# KiCad board processed.kicad_pcb
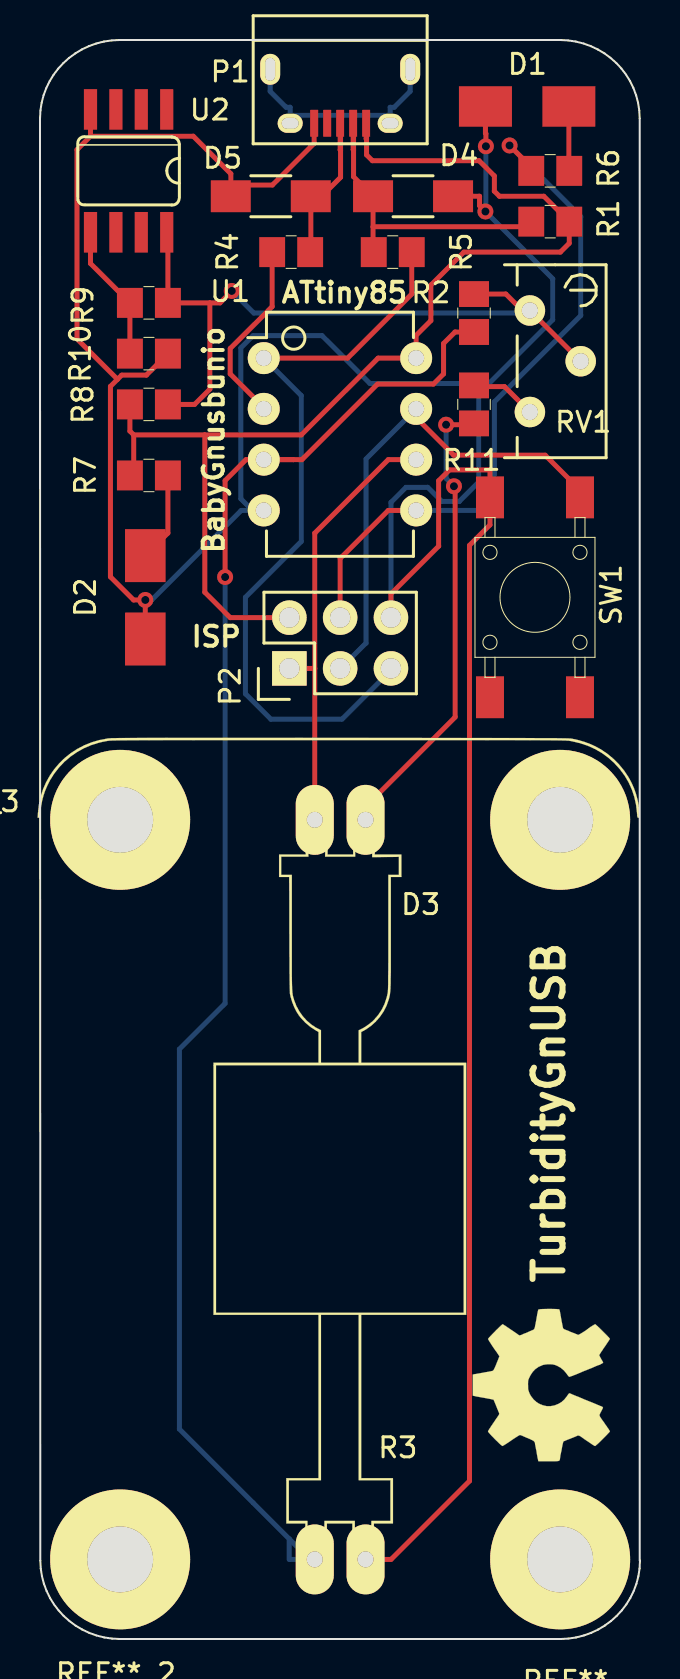
[diagram p0: board, top side]
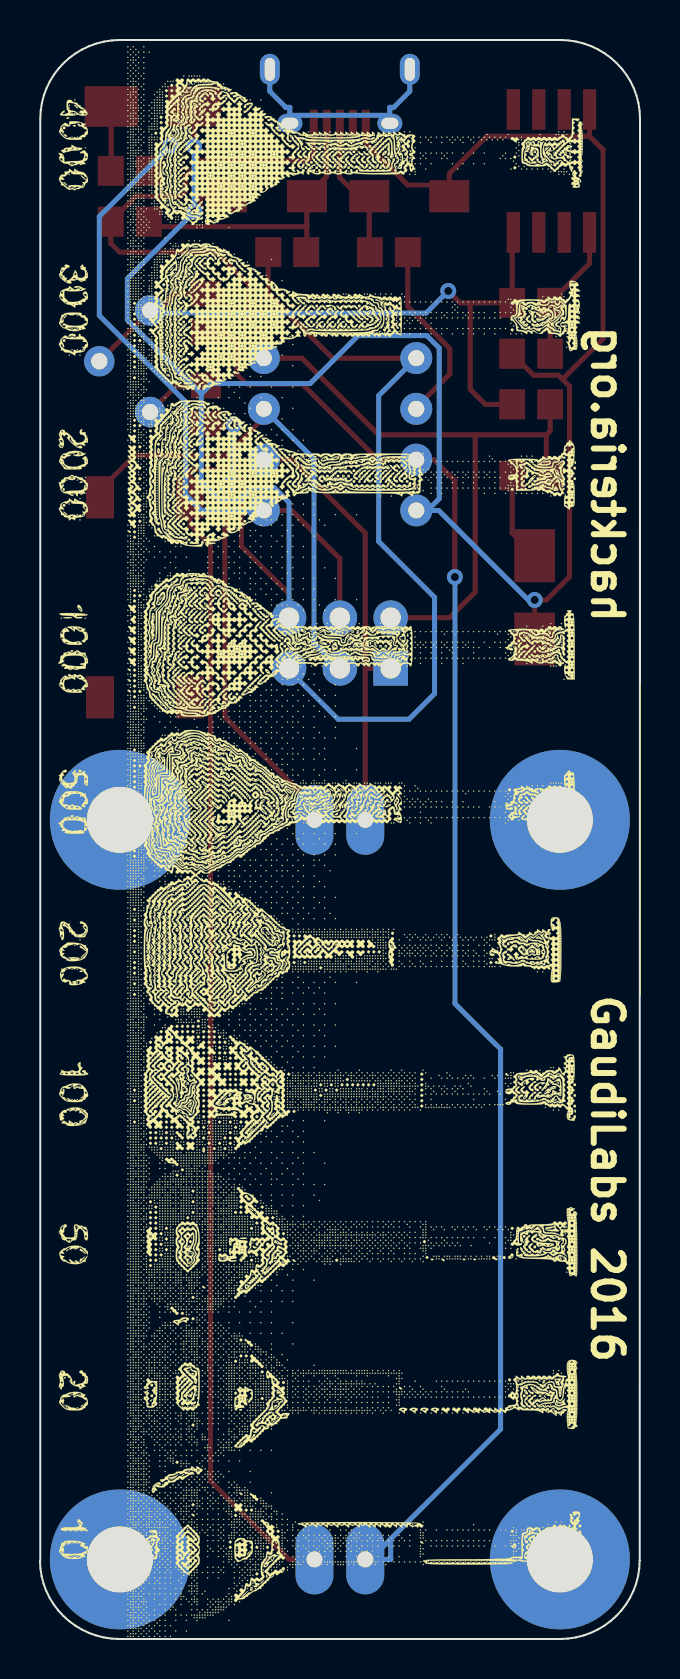
[diagram p1: board, bottom side, seen from below]

Outline 30 x 80 mm; copper layers: Top, Bottom. Coordinates in mm from the lower left corner of the outline.
Outline path: 0,76.07 0.02,76.47 0.08,76.86 0.18,77.24 0.31,77.6 0.48,77.94 0.68,78.26 0.91,78.57 1.17,78.85 1.46,79.1 1.76,79.33 2.09,79.52 2.44,79.69 2.81,79.82 3.19,79.92 3.59,79.98 4,80 25.99,80 26.4,79.98 26.79,79.92 27.18,79.82 27.54,79.69 27.89,79.52 28.22,79.33 28.53,79.1 28.81,78.85 29.07,78.57 29.3,78.26 29.5,77.94 29.67,77.6 29.81,77.24 29.9,76.86 29.96,76.47 29.99,76.07 ; 0.01,3.92 0,76.07 ; 0.02,3.93 0.04,3.53 0.1,3.14 0.2,2.76 0.33,2.4 0.5,2.06 0.7,1.73 0.93,1.43 1.19,1.15 1.47,0.9 1.78,0.67 2.11,0.47 2.46,0.31 2.82,0.18 3.21,0.08 3.6,0.02 4.01,0 26,0 26.41,0.02 26.81,0.08 27.19,0.18 27.56,0.31 27.91,0.47 28.24,0.67 28.55,0.9 28.83,1.15 29.09,1.43 29.32,1.73 29.52,2.06 29.69,2.4 29.82,2.76 29.92,3.14 29.98,3.53 30,3.93 ; 29.99,76.06 29.99,3.93

## Placement (name value [footprint] x y rotation side)
D1  LED  [Fuse_SMD1206_HandSoldering]  24.36 76.67 0 top
D2  LED  [Fuse_SMD1206_HandSoldering]  5.27 52.12 90 top
D3  LED  [SolderWirePad_2x0_8_oval]  15.01 40.98 0 top
D4  3.3V  [C_1206_HandSoldering]  18.65 72.18 0 top
D5  3.3V  [C_1206_HandSoldering]  11.54 72.18 180 top
G***  LOGO  [Turbidity2]  15.73 39.8 270 bottom
G***_2  LOGO  [OpenHardwareLogo]  25.13 12.68 90 top
G***_3  LOGO  [turbi2]  14.92 23.03 0 top
P1  USB_OTG  [USB_Micro-B]  15.01 77.39 180 top
P2  CONN_02X03  [Pin_Header_Straight_2x03]  12.47 48.56 90 top
R1  1.5k  [0805G]  25.51 70.91 270 top
R2  470k  [0805G]  21.7 66.34 180 top
R3  LDR  [SolderWirePad_2x0_8_oval]  15.01 3.98 180 top
R4  68  [0805G]  12.56 69.39 90 top
R5  68  [0805G]  17.64 69.39 270 top
R6  820  [0805G]  25.51 73.45 270 top
R7  1k  [0805G]  5.45 58.21 270 top
R8  1k  [0805G]  5.45 61.77 270 top
R9  47k  [0805G]  5.45 66.85 90 top
R10  100k  [0805G]  5.45 64.31 270 top
R11  1k  [0805G]  21.7 61.77 180 top
REF**  -  [MountingHoleRound3mm]  26.01 3.98 0 top
REF**_2  -  [MountingHoleRound3mm]  4.01 3.98 0 top
REF**_3  -  [MountingHoleRound3mm]  4.01 40.98 0 top
REF**_4  -  [MountingHoleRound3mm]  26.01 40.98 0 top
RV1  100k  [Potentiometer_Bourns_3296Y_3-8Zoll_Angular_ScrewUp]  24.5 66.47 180 top
SW1  SW_PUSH_SMALL_H  [PUSH_BUTTON_SMD]  24.75 52.12 270 top
U1  ATTINY85-P  [DIP-8_W7.62mm]  11.19 64.08 0 top
U2  LM385  [SO08]  4.43 73.45 180 top

## Footprints (pads in the part's own frame, mm; a bottom-side part is the same pattern mirrored in y, then rotated)
0805G
  rect 1.5x1.295 smd: 1(0,0.95) 2(0,-0.95)
C_1206_HandSoldering
  rect 2x1.6 smd: 1(-2,0) 2(2,0)
DIP-8_W7.62mm
  oval 1.6x1.6 hole 0.8: 1(0,0) 2(0,-2.54) 3(0,-5.08) 4(0,-7.62) 5(7.62,-7.62) 6(7.62,-5.08) 7(7.62,-2.54) 8(7.62,0)
Fuse_SMD1206_HandSoldering
  rect 2.652x2.029 smd: 1(-2.085,0) 2(2.085,0)
MountingHoleRound3mm
  round 7 hole 3.3: 1(0,0)
Pin_Header_Straight_2x03
  rect 1.727x1.727 hole 1.016: 1(0,0)
  oval 1.727x1.727 hole 1.016: 2(2.54,0) 3(0,-2.54) 4(2.54,-2.54) 5(0,-5.08) 6(2.54,-5.08)
Potentiometer_Bourns_3296Y_3-8Zoll_Angular_ScrewUp
  round 1.524 hole 0.813: 1(0,0) 2(-2.54,2.54) 3(0,5.08)
PUSH_BUTTON_SMD
  rect 2.1x1.4 smd: 1(-5,2.25) 2(-5,-2.25) 3(5,2.25) 4(5,-2.25)
SO08
  rect 0.66x2.032 smd: 1(-1.905,-3.073) 2(-0.635,-3.073) 3(0.635,-3.073) 4(1.905,-3.073) 5(1.905,3.073) 6(0.635,3.073) 7(-0.635,3.073) 8(-1.905,3.073)
SolderWirePad_2x0_8_oval
  oval 1.9x3.5 hole 0.8: 1(-1.27,0) 2(1.27,0)
USB_Micro-B
  rect 0.4x1.35 smd: 1(-1.301,1.563) 2(-0.651,1.563) 3(-0.001,1.563) 4(0.649,1.563) 5(1.299,1.563)
  oval 1x1.55 hole 0.5x1.15: 6(-3.501,-1.137) 6(3.499,-1.137)
  oval 1.25x0.95 hole 0.85x0.55: 6(-2.501,1.563) 6(2.499,1.563)

## Nets
GND: D1.1 D2.1 D4.2 D5.2 P1.5 P2.6 R3.1 R10.1 SW1.2 U1.4 U2.4
VCC: P1.1 P2.2 R1.1 R7.2 R8.2 U1.8
MISO: D3.1 P2.1 U1.6
MOSI: P2.4 R6.2 U1.5
REF: R2.2 R8.1 R9.2 RV1.1 RV1.2 U2.8
RESET: P2.5 R5.1 U1.1
SCK: P2.3 SW1.1 U1.7
Net-(D1-Pad2): D1.2 R6.1
Net-(D2-Pad2): D2.2 R7.1
Net-(D3-Pad2): D3.2 R11.1
Net-(D4-Pad1): D4.1 P1.2 R1.2 R5.2
Net-(D5-Pad1): D5.1 P1.3 R4.2
Net-(P1-Pad6): P1.6
Net-(R2-Pad1): R2.1 R3.2 U1.3
Net-(R4-Pad1): R4.1 U1.2
Net-(R10-Pad2): R9.1 R10.2 U2.5
Net-(R11-Pad2): R11.2 RV1.3

Pads without a net: P1 4; REF** 1; REF**_2 1; REF**_3 1; REF**_4 1; SW1 3 4; U2 1 2 3 6 7

## Via types
v1: diameter 0.8, hole 0.4, Top to Bottom, 8 vias

## Routing (per net, layer and track width the routed paths; a pad name or vN(x,y) marks a point on that pad's centre or on a via; arc(x,y) is an arc through that point)
GND: length 179.9
  Top w0.25: U2.4 2.52,75.18 ; 3.87,63.02 3.52,62.67 3.52,53.14 4.68,51.98 v1(5.27,51.98) D2.1 ; 3.87,63.02 1.85,65.05 1.85,74.51 2.52,75.18 ; 3.87,63.02 4.08,63.23 5.32,63.23 R10.1 ; 2.52,75.18 7.66,75.18 9.54,73.31 9.54,72.74 ; P1.5 13.71,74.83 11.62,72.74 9.54,72.74 ; P2.6 17.55,52.29 19.93,54.67 19.93,57.95 20.47,58.49 22.5,58.49 SW1.2 22.5,55.74 21.47,54.72 21.47,7.91 17.55,3.98 R3.1 ; D4.2 21.98,72.18 21.98,71.71 v1(22.27,71.42) ; D5.2 9.54,72.74 ; D1.1 22.27,75.33 22.3,75.31 v1(22.3,74.68)
  Bottom w0.25: U1.4 10.63,56.46 ; 10.63,56.46 10.06,56.46 5.58,51.98 v1(5.27,51.98) ; 10.63,56.46 10.04,57.05 10.04,64.6 10.66,65.21 14.1,65.21 16.49,62.81 21.42,62.81 21.94,62.3 ; 21.94,62.3 21.94,57.88 20.97,56.91 20.09,56.91 19.39,57.62 18.3,57.62 17.55,56.86 P2.6 ; 21.94,62.3 25.63,66 25.63,68.05 v1(22.27,71.42) 22.3,71.44 v1(22.3,74.68)
VCC: length 59.2
  Top w0.25: R7.2 4.68,58.4 4.68,60.24 ; 16.33,75.83 16.33,75.04 ; 16.33,75.04 16.31,75.06 P1.1 ; 16.33,75.04 16.33,74.25 16.62,73.96 21.96,73.96 22.72,73.2 22.72,72.44 22.97,72.18 25.19,72.18 R1.1 26.46,69.83 26.02,69.39 21.19,69.39 19.54,67.74 19.54,65.96 18.81,65.22 U1.8 16.91,64.08 13.07,60.24 8.24,60.24 ; 8.24,60.24 4.68,60.24 ; 8.24,60.24 8.24,52.37 9.51,51.1 P2.2 ; 4.68,60.24 4.5,60.43 R8.2
MISO: length 22.6
  Top w0.25: D3.1 13.74,48.56 ; 18.43,59 U1.6 18.43,59 ; 18.43,59 17.41,59 13.74,55.33 13.74,48.56 ; 13.74,48.56 P2.1
MOSI: length 34.4
  Top w0.25: v1(23.48,74.72) 24.56,73.64 R6.2 ; P2.4 15.01,54.06 17.41,56.46 U1.5
  Bottom w0.25: v1(23.48,74.72) 27.04,71.17 27.04,66.21 22.72,61.89 22.72,57.26 21.93,56.46 U1.5
REF: length 35.9
  Top w0.25: U2.8 6.4,70.32 R9.2 8.49,66.85 ; v1(9.59,67.44) 9.44,67.3 9.44,67.29 9,66.85 8.49,66.85 ; RV1.2 RV1.1 24.11,66.47 23.29,67.29 R2.2 ; 8.49,66.85 8.49,62.53 7.73,61.77 R8.1
  Bottom w0.25: v1(9.59,67.44) 10.69,66.34 24.37,66.34 RV1.1
RESET: length 38.5
  Top w0.25: R5.1 18.59,67.29 15.38,64.08 U1.1
  Bottom w0.25: U1.1 13.07,62.21 13.07,54.91 10.27,52.12 10.27,47.29 11.54,46.02 15.1,46.02 17.55,48.47 P2.5
SCK: length 25.1
  Top w0.25: SW1.1 27,57.49 25.26,59.23 20.69,59.23 18.81,61.11 U1.7
  Bottom w0.25: P2.3 15.03,48.56 16.3,49.83 16.3,59.04 U1.7
Net-(D1-Pad2): length 3.2
  Top w0.25: R6.1 26.44,73.47 D1.2
Net-(D2-Pad2): length 4.5
  Top w0.25: R7.1 6.4,55.33 D2.2
Net-(D3-Pad2): length 23.3
  Top w0.25: R11.1 21.64,60.75 v1(20.3,60.75) ; D3.2 16.28,41.64 20.76,46.12 20.76,57.61 v1(20.7,57.67)
  Bottom w0.25: 20.24,60.69 v1(20.3,60.75) 20.3,58.07 v1(20.7,57.67)
Net-(D4-Pad1): length 16.2
  Top w0.25: 15.68,74.49 15.66,74.51 P1.2 ; 15.68,74.49 15.68,73.16 D4.1 16.65,70.66 ; 15.68,74.49 15.68,75.83 ; 16.65,70.66 16.65,69.42 R5.2 ; 16.65,70.66 24.31,70.66 R1.2
Net-(D5-Pad1): length 8.7
  Top w0.25: 15.03,74.48 15.01,74.5 P1.3 ; 15.03,74.48 15.03,75.83 ; 15.03,74.48 15.03,73.13 14.08,72.18 D5.1 13.54,69.42 R4.2
Net-(P1-Pad6): length 11.5
  Bottom w0.25: 12.51,76.23 17.51,76.23 ; 12.51,76.23 P1.6 ; 12.51,76.23 12.51,76.63 12.31,76.63 11.51,77.43 P1.6 ; 17.51,76.23 P1.6 ; 17.51,76.23 17.51,76.63 17.71,76.63 18.51,77.43 P1.6
Net-(R2-Pad1): length 78.2
  Top w0.25: U1.3 12.67,59 ; U1.3 12.67,59 ; U1.3 10.3,59 9.26,57.96 v1(9.26,53.13) ; 12.67,59 13.1,59 16.88,62.78 19.67,62.78 20.18,63.29 20.18,64.82 20.75,65.39 R2.1
  Bottom w0.25: 12.46,5.01 6.97,10.5 6.97,29.51 9.26,31.8 v1(9.26,53.13) ; 12.46,5.01 13.74,3.73 ; 12.46,5.01 12.46,3.98 R3.2
Net-(R4-Pad1): length 9.4
  Top w0.25: U1.2 11.19,61.61 9.51,63.29 9.51,64.56 11.61,66.66 R4.1
Net-(R10-Pad2): length 6.9
  Top w0.25: U2.5 2.52,68.82 R9.1 R10.2
Net-(R11-Pad2): length 3.3
  Top w0.25: R11.2 21.76,62.66 23.23,62.66 RV1.3

## Text on the board
B.SilkS: hackteria.org | GaudiLabs 2016
F.Fab: +
F.SilkS: ISP | ATtiny85 | BabyGnusbunio | TurbidityGnUSB
